# KiCad board pcb-panel.kicad_pcb (continued)
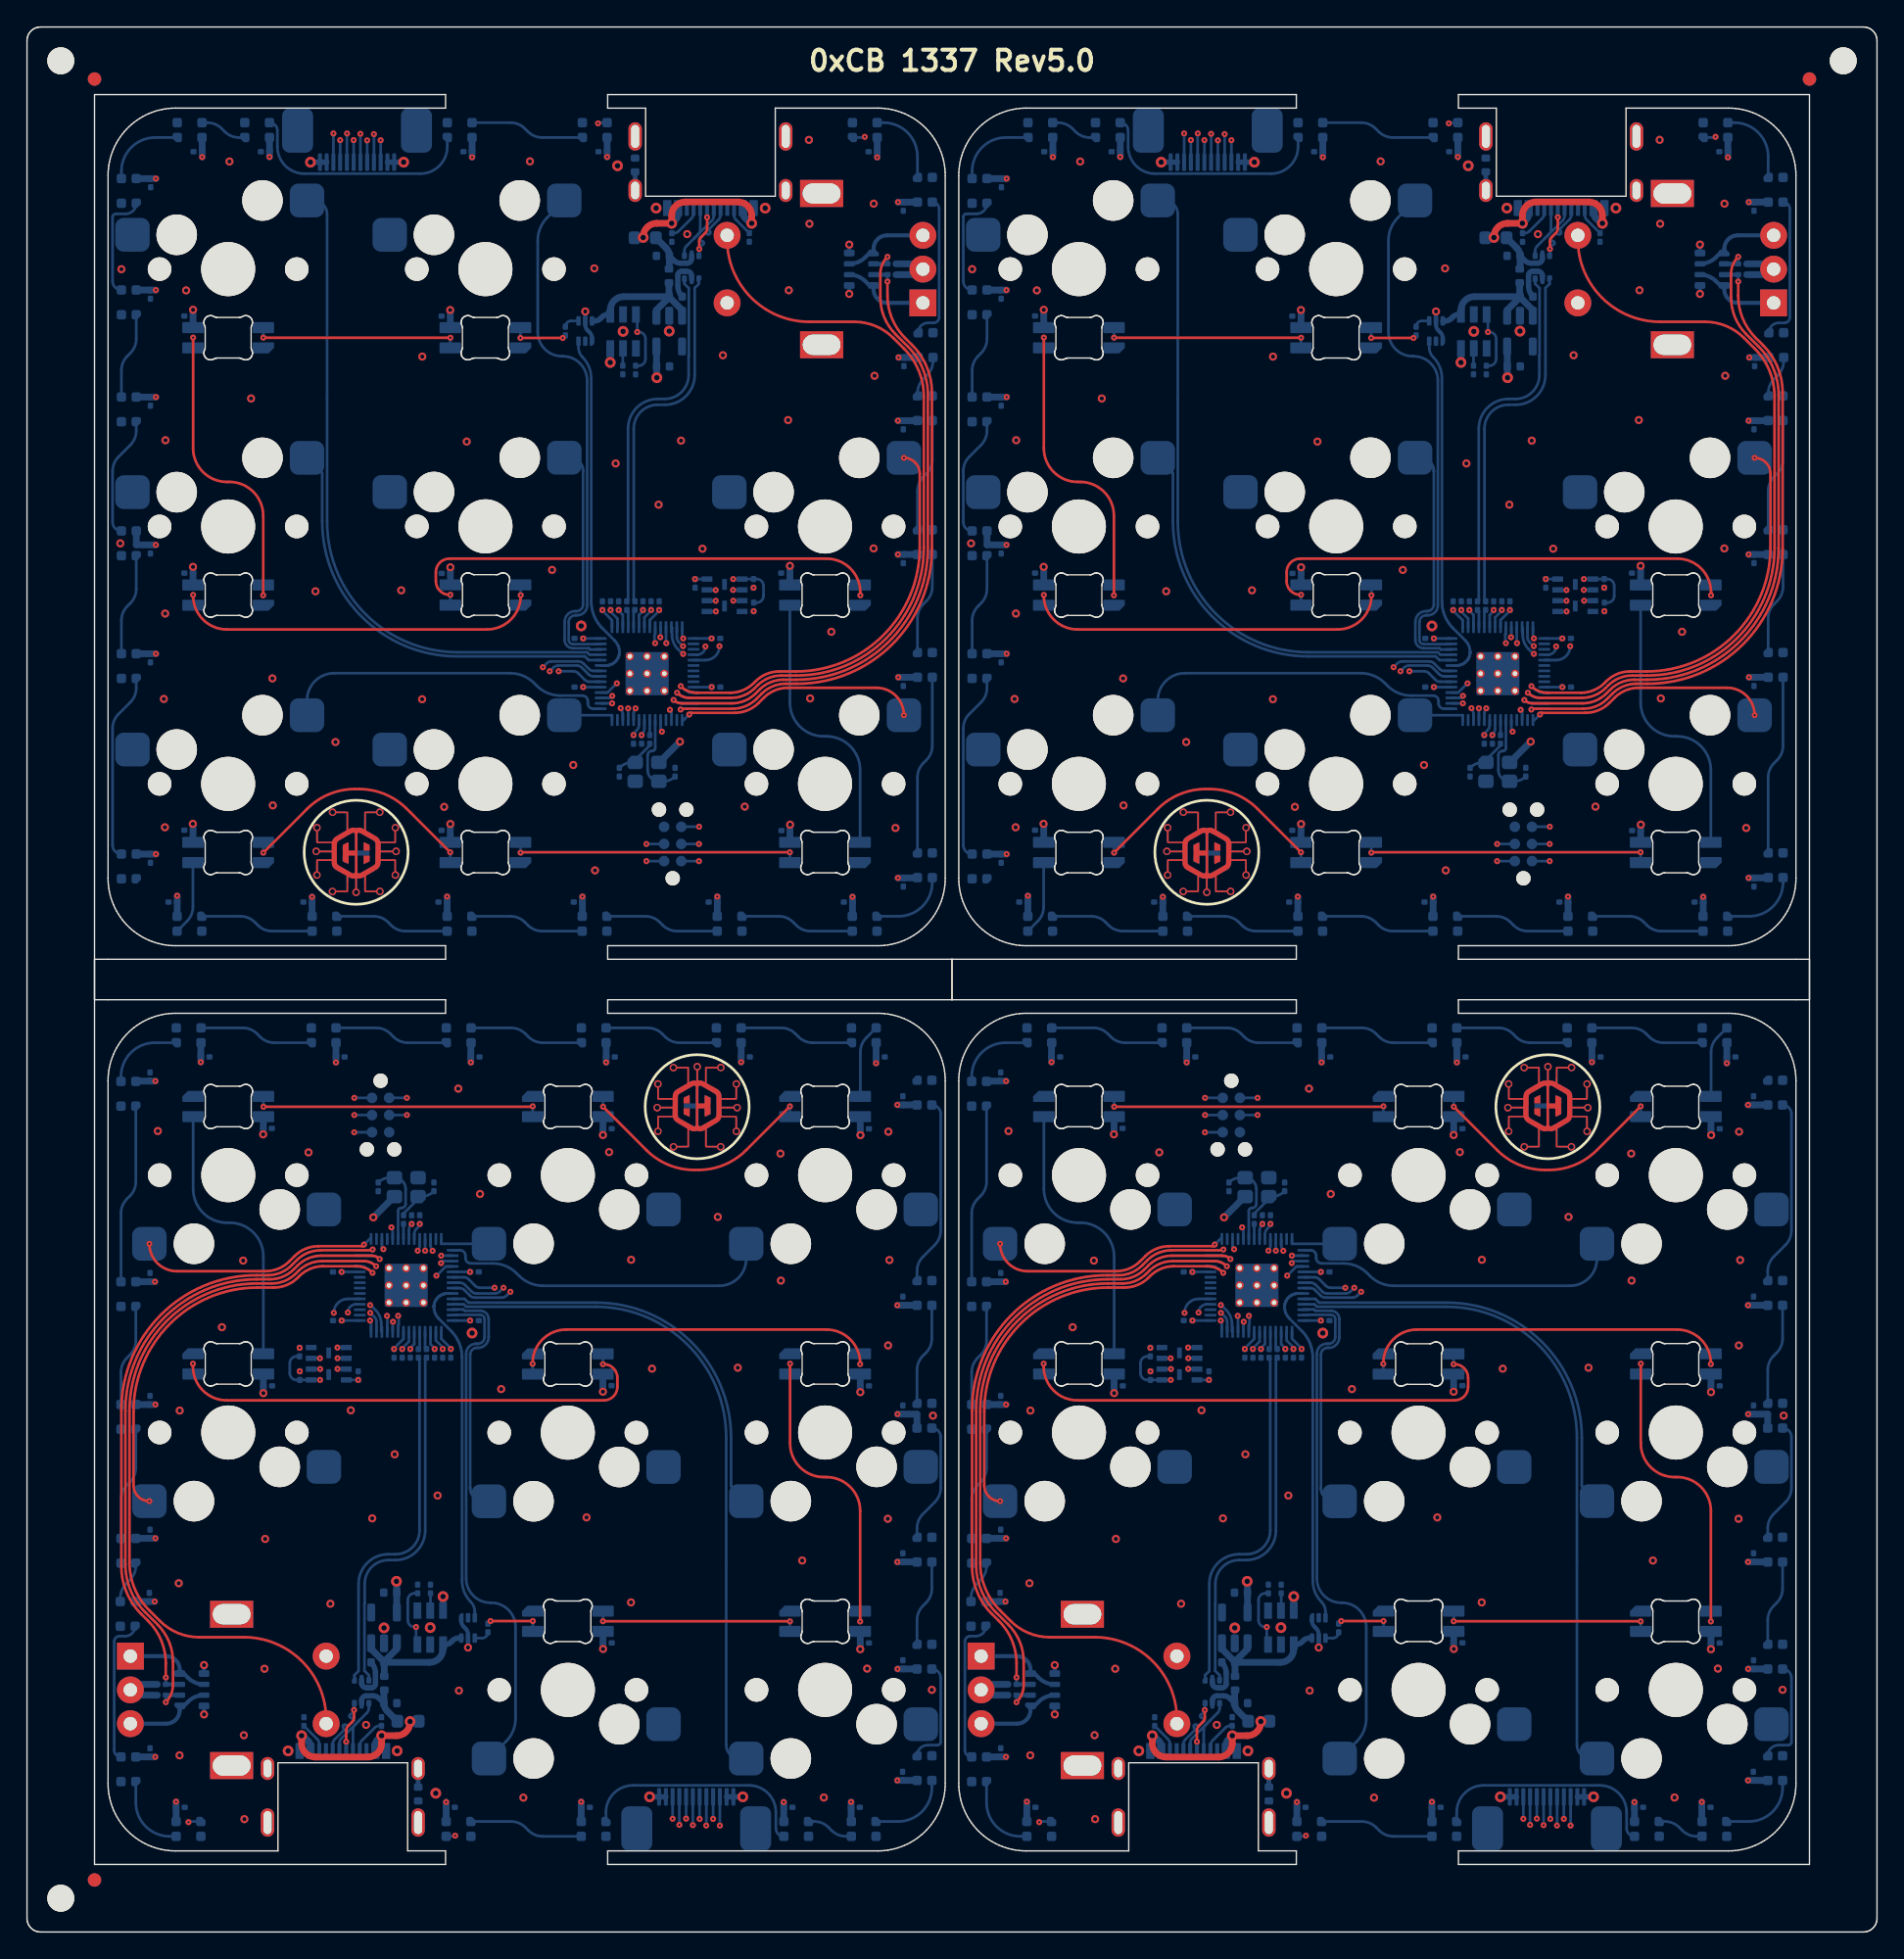
[diagram p0: board, top side]
## Routing (per net, layer and track width the routed paths; a pad name or vN(x,y) marks a point on that pad's centre or on a via; arc(x,y) is an arc through that point) (continued)
  Bottom w0.2: v1(39.37,93.32) 40.46,93.32 arc(40.65,93.28) 40.82,93.17 41.3,92.69 arc(41.46,92.58) 41.65,92.54 U6#3.34 ; J2.10 v1(26.19,132.62)
Board_0-/SPI0_SDI: length 64
  In1.Cu w0.2: v1(25.19,132.61) 25.19,133.24 arc(25.01,133.67) 24.59,133.85 22.63,133.85 arc(22.41,133.8) 22.22,133.67 22.15,133.61 arc(22.01,133.4) 21.97,133.16 21.97,133.03 arc(22.01,132.84) 22.12,132.67 24.2,130.59 arc(24.41,130.26) 24.49,129.88 24.49,102.29 arc(27.42,95.22) 34.49,92.29 39.65,92.29 arc(39.85,92.33) 40.01,92.44 40.04,92.47 arc(40.21,92.58) 40.4,92.62 41.8,92.62 arc(42.18,92.54) 42.5,92.33 v1(43.34,91.49)
  Bottom w0.2: v1(25.19,132.61) J2.8 ; v1(43.34,91.49) 43.19,91.34 U6#3.31
Board_0-/SPI0_SDO: length 55.8
  In1.Cu w0.2: v1(24.69,133.09) 24.69,132.71 arc(24.73,132.53) 24.83,132.37 24.96,132.25 arc(25.28,131.76) 25.39,131.19 25.39,102.36 arc(28.08,95.88) 34.56,93.19 38.41,93.19 arc(38.57,93.22) v1(38.71,93.32)
  Bottom w0.2: v1(38.71,93.32) 38.99,93.59 arc(39.15,93.7) 39.34,93.74 40.73,93.74 arc(40.92,93.7) 41.08,93.59 41.59,93.09 arc(41.75,92.98) 41.94,92.94 U6#3.35 ; J2.7 v1(24.69,133.09)
Board_0-/SWD_CLK: length 15.6
  In1.Cu w0.2: v1(45.07,90.57) 45.07,90.56 arc(45.06,90.52) 45.04,90.49 44.65,90.11 arc(44.51,89.89) 44.46,89.64 44.46,85.44 arc(44.81,83.7) 45.79,82.23 45.88,82.14 arc(47.66,80.95) v1(49.76,80.53)
  Bottom w0.2: U6#3.24 44.92,90.22 arc(44.96,90.41) v1(45.07,90.57) ; v1(49.76,80.53) 48.45,80.53
Board_0-/SWD_IO: length 16.5
  In1.Cu w0.2: v1(44.52,90.57) 44.52,90.53 arc(44.25,90.14) 44.16,89.67 44.16,85.35 arc(44.58,83.24) 45.78,81.44 46.69,80.53 arc(48.1,79.59) v1(49.76,79.26)
  Bottom w0.2: v1(49.76,79.26) 48.45,79.26 ; v1(44.52,90.57) 44.52,90.57 U6#3.25
Board_0-/USB+: length 26.8
  Bottom w0.2: U1#4.1 49.76,122 49.45,121.68 49.45,115.24 arc(48.8,113.69) 47.25,113.04 46.7,113.04 arc(45.45,112.52) 44.93,111.27 44.93,98.58 R8#3.1
Board_0-/USB-: length 26.8
  Bottom w0.2: R9.1 44.51,98.59 44.51,111.27 arc(45.16,112.83) 46.71,113.47 47.23,113.47 arc(48.48,113.99) 49,115.24 49,116.68 49.01,116.7 49.01,121.67 48.68,122 U1#4.3
Board_0-GND: length 11.9
  Bottom w0.2: U6#3.19 46.92,88.94 v1(47.02,88.85)
  Bottom w0.4: v2(20.99,131) J2.1 J2.2 ; U1#4.2 49.22,122.57 arc(49.12,122.82) 48.87,122.92 48.48,122.92 arc(48.28,122.84) 48.2,122.64 48.2,121.83 arc(48.28,121.41) C11#4.2
  Bottom w0.5: v3(48.35,88.11) 46.82,86.57 Y1.2 ; C7#4.2 65.96,123.47 MX3#4.C 65.94,122.67 C8#3.2
  vias: v2(41.04,96.67) v2(43.73,130.73) v2(44.14,118.47) v2(46.59,127.6) v2(47.56,118.49) v2(54.67,127.6) v3(6.91,102.78) v3(6.99,123.08) v3(10.13,91.27) v3(10.23,97.59) v3(10.21,81.77) v3(10.25,110.42) v3(11.78,121.51) v3(14.99,131.05) v3(16.59,113.51) v3(18.17,92.79) v3(18.2,83.39) v3(21.36,99.24) v3(22.84,88.08) v3(27.71,99.31) v3(29.27,116.61) v3(29.26,91.25) v3(30.89,83.28) v3(32.56,110.32) v3(37.24,131.06) v3(38.88,100.82) v3(40.45,86.38) v3(42.01,123.14) v3(42.06,78.58) v3(43.59,108.7) v3(46.77,105.65) v3(48.43,110.39) v3(48.89,125.67) v3(50.02,102.39) v3(51.53,116.71) v3(53.15,83.3) v3(56.41,121.52) v3(56.36,111.91) v3(57.9,132.65) v3(57.94,126.44) v3(57.99,91.31) v3(59.56,96.24) v3(62.7,127.93) v3(62.69,102.41) v3(62.76,115.19) v3(64.31,81.72)
Board_0-Net-(C40-Pad2): length 3.1
  Bottom w0.2: R10#3.1 46.12,87.82 45.04,86.75 Y1.1 44.84,86.57 arc(44.31,86.47) C40.2
Board_0-Net-(D1-DIN): length 15.3
  Top w0.2: v1(17.5,118.01) 17.51,118 v1(31.35,118)
  Bottom w0.2: v1(31.35,118) 31.35,118 D2#2.2 ; v1(17.5,118.01) 17.5,118.75 D1.4
Board_0-Net-(D1-DOUT): length 23.7
  Top w0.2: v1(17.49,98.94) 17.49,104.83 arc(16.76,106.6) 14.99,107.33 14.8,107.33 arc(13.03,108.06) 12.3,109.83 v1(12.3,118.02)
  Bottom w0.2: v1(12.3,118.02) 12.3,118.01 D1.2 ; v1(17.49,98.94) 17.5,98.94 D3.4
Board_0-Net-(D3-DOUT): length 28.7
  Top w0.2: v1(36.56,98.95) 36.56,98.91 arc(35.83,97.14) 34.06,96.41 14.8,96.41 arc(13.03,97.14) 12.3,98.91 v1(12.3,98.97)
  Bottom w0.2: D3.2 12.3,98.96 v1(12.3,98.97) ; D4.4 36.56,99.7 v1(36.56,98.95)
Board_0-Net-(D4-DOUT): length 37.5
  Top w0.2: v1(31.35,98.98) 31.28,98.98 arc(30.57,99.27) 30.28,99.98 30.28,100.65 arc(30.57,101.36) 31.28,101.65 59.21,101.65 arc(60.98,100.92) 61.71,99.15 v1(61.71,98.94)
  Bottom w0.2: v1(61.71,98.94) 61.71,99.69 D5#4.4 ; D4.2 v1(31.35,98.98)
Board_0-Net-(D5-DOUT): length 20.6
  Bottom w0.2: D5#4.2 56.5,91 arc(57.23,89.23) 59,88.5 59.2,88.5 arc(60.96,87.77) 61.7,86 D8#2.4
Board_0-Net-(D6-DIN): length 18.8
  Top w0.2: v1(17.5,79.89) 20.75,83.13 arc(22.37,84.22) 24.28,84.6 24.59,84.6 arc(26.5,84.22) 28.13,83.13 v1(31.34,79.92)
  Bottom w0.2: D6.4 17.5,80.65 v1(17.5,79.89) ; v1(31.34,79.92) 31.35,79.91 D7#4.2
Board_0-Net-(D7-DIN): length 21.5
  Top w0.2: v1(36.55,79.89) 36.58,79.92 v1(56.49,79.92)
  Bottom w0.2: D8#2.2 56.5,79.91 v1(56.49,79.92) ; D7#4.4 36.55,80.65 v1(36.55,79.89)
Board_0-Net-(D10-DIN): length 35.3
  In2.Cu w0.2: v1(42.29,133.87) 42.29,130.42 arc(44.34,125.47) 49.29,123.42 55.01,123.42 arc(59.96,125.47) 62.01,130.42 62.01,132.87 v1(62.04,132.87)
  Bottom w0.2: D10.3 42.34,133.92 v1(42.29,133.87) ; v1(62.04,132.87) 61.99,132.82 D9#2.1
Board_0-Net-(D10-DOUT): length 8.5
  Bottom w0.2: D10.1 38.15,132.82 arc(37.58,132.93) 37.09,133.26 36.87,133.48 arc(36.38,133.81) 35.81,133.92 D11#3.3
Board_0-Net-(D11-DOUT): length 17.7
  Bottom w0.2: D11#3.1 31.13,132.15 arc(30.54,130.73) 29.13,130.15 20.54,130.15 arc(19.13,130.73) 18.54,132.15 18.54,133.34 arc(18.37,133.75) D12.3
Board_0-Net-(D12-DOUT): length 3.5
  Bottom w0.2: D12.1 15.7,132.82 arc(15.13,132.93) 14.64,133.26 14.42,133.48 arc(13.93,133.81) 13.36,133.92 D13#3.3
Board_0-Net-(D13-DOUT): length 6.1
  Bottom w0.2: D15#3.3 6.99,130.32 arc(7.72,132.09) 9.49,132.82 D13#3.1
Board_0-Net-(D14-DIN): length 11
  Bottom w0.2: D14#4.3 67.05,128.04 arc(67.4,127.89) 67.55,127.54 67.55,119.51 arc(67.43,119.22) 67.14,119.1 66.72,119.1 arc(66.2,118.89) D16#4.1
Board_0-Net-(D14-DOUT): length 6
  Bottom w0.2: D9#2.3 63.44,133.92 arc(65.21,133.19) 65.94,131.42 D14#4.1
Board_0-Net-(D15-DOUT): length 8.1
  Bottom w0.2: D15#3.1 arc(7.86,127.4) 7.31,127.17 6.56,127.17 arc(6.4,127.11) 6.34,126.95 6.34,122.19 arc(6.53,121.73) D17.3
Board_0-Net-(D16-DIN): length 3.2
  Bottom w0.2: D18#2.1 65.94,113.89 arc(66.05,114.46) 66.38,114.95 66.65,115.22 arc(66.98,115.71) 67.09,116.28 D16#4.3
Board_0-Net-(D17-DOUT): length 6.4
  Bottom w0.2: D17.1 8.09,117.92 arc(7.98,117.35) 7.65,116.86 7.43,116.64 arc(7.1,116.15) 6.99,115.58 D19#2.3
Board_0-Net-(D18-DIN): length 8.4
  Bottom w0.2: D18#2.3 67.04,108.99 arc(66.93,108.42) 66.6,107.93 66.38,107.71 arc(66.05,107.22) 65.94,106.65 D20#2.1
Board_0-Net-(D19-DOUT): length 9.1
  Bottom w0.2: D19#2.1 8.09,111.12 arc(7.98,110.55) 7.65,110.06 6.78,109.19 arc(6.45,108.7) 6.34,108.12 6.34,104.36 arc(6.53,103.89) D21.3
Board_0-Net-(D20-DIN): length 7.6
  Bottom w0.2: D20#2.3 67.04,99.57 arc(66.93,99) 66.6,98.51 66.38,98.29 arc(66.05,97.8) 65.94,97.23 D22#2.1
Board_0-Net-(D21-DOUT): length 7.6
  Bottom w0.2: D21.1 8.09,99.41 arc(7.98,98.84) 7.65,98.35 7.43,98.13 arc(7.1,97.64) 6.99,97.07 D23.3
Board_0-Net-(D22-DIN): length 13.3
  Bottom w0.2: D22#2.3 67.04,87.8 arc(66.93,87.23) 66.6,86.74 66.38,86.52 arc(66.05,86.03) 65.94,85.46 D24.1
Board_0-Net-(D23-DOUT): length 14
  Bottom w0.2: D23.1 8.09,92.08 arc(7.98,91.51) 7.65,91.02 6.78,90.15 arc(6.45,89.66) 6.34,89.08 6.34,80.44 arc(6.53,79.98) D25#3.3
Board_0-Net-(D24-DIN): length 5.9
  Bottom w0.2: D26#3.1 64.54,75.18 arc(66.31,75.91) 67.04,77.68 D24.3
Board_0-Net-(D26-DIN): length 8.5
  Bottom w0.2: D26#3.3 58.02,74.08 arc(57.45,74.19) 56.96,74.52 56.74,74.74 arc(56.25,75.07) 55.68,75.18 D27#3.1
Board_0-Net-(D27-DIN): length 8.5
  Bottom w0.2: D28.1 45.8,75.18 arc(46.37,75.07) 46.86,74.74 47.08,74.52 arc(47.57,74.19) 48.14,74.08 D27#3.3
Board_0-Net-(D28-DIN): length 8.5
  Bottom w0.2: D29#3.1 35.81,75.18 arc(36.38,75.07) 36.87,74.74 37.09,74.52 arc(37.58,74.19) 38.15,74.08 D28.3
Board_0-Net-(D29-DIN): length 8.5
  Bottom w0.2: D29#3.3 28.02,74.08 arc(27.45,74.19) 26.96,74.52 26.74,74.74 arc(26.25,75.07) 25.68,75.18 D30.1
Board_0-Net-(D30-DIN): length 8.5
  Bottom w0.2: D31#4.1 15.81,75.18 arc(16.38,75.07) 16.87,74.74 17.09,74.52 arc(17.58,74.19) 18.15,74.08 D30.3
Board_0-Net-(D31-DIN): length 5.5
  Bottom w0.2: D6.2 12.29,79.14 12.29,75.87 arc(12.17,75.3) 11.85,74.81 D31#4.3
Board_0-Net-(F1-Pad1): length 14.3
  Top w0.5: v2(53.67,126.47) 53.67,127.05 arc(53.37,127.76) 52.67,128.05 48.74,128.05 arc(48.03,127.76) 47.74,127.05 v2(47.74,126.47) 46.63,126.47 arc(45.92,126.18) 45.63,125.47 v2(45.63,125.42)
  Bottom w0.5: v2(45.63,125.42) 45.01,125.42 F1#2.1 ; v2(53.67,126.47) 53.57,126.47 53.16,126.88 arc(53.05,127.04) 53.01,127.23 J1#2.A9 ; J1#2.A4 48.21,127.15 arc(48.17,126.96) 48.06,126.79 v2(47.74,126.47)
Board_0-Net-(J1-CC1): length 2.7
  Bottom w0.2: J1#2.A5 49.36,127.2 arc(49.32,127.01) 49.21,126.85 48.26,125.89 arc(48.09,125.78) 47.9,125.74 R2.2
Board_0-Net-(J1-CC2): length 2.3
  Bottom w0.2: J1#2.B5 52.36,127.08 arc(52.4,126.89) 52.51,126.73 R1.2
Board_0-Net-(J1-SHIELD): length 1.4
  Bottom w0.35: J1#2.S1 45.04,130.28 FB1.1
Board_0-Net-(RN1A-R1.1): length 6.6
  Bottom w0.3: MX3#4.B 63.69,125.58 arc(62.98,125.29) 62.69,124.58 RN1#4.1 62.39,124.27 62.09,123.97 arc(61.54,123.6) RN1#4.7
Board_0-Net-(RN1C-R3.2): length 6.6
  Bottom w0.3: MX3#4.A 63.69,120.58 arc(62.98,120.87) 62.69,121.58 RN1#4.4 62.39,121.87 62.09,122.18 arc(61.54,122.54) RN1#4.6
Board_0-Net-(U1-VBUS): length 5
  Bottom w0.4: C10.1 47.91,123.72 arc(48.13,123.57) 48.39,123.52 48.87,123.52 arc(49.12,123.62) 49.22,123.87 U1#4.5
  Bottom w0.5: FB2.1 47.57,123.12 C10.1 arc(47.51,124.37) 47.33,124.64 F1#2.2
Board_0-Net-(U3-ILIM): length 1.3
  Bottom w0.2: U3#4.5 44.12,117.2 R5.1
Board_0-Net-(U4-B): length 1.2
  Bottom w0.2: U4#3.4 40.3,119.25 arc(39.99,119.12) R3#2.1
Board_0-Net-(U6-XTAL_IN): length 6.6
  Bottom w0.2: U6#3.20 46.52,87.62 arc(46.46,87.47) 46.31,87.41 46.27,87.41 arc(46.05,87.32) 45.96,87.11 45.96,86 arc(46.2,85.41) Y1.3 47.13,85.17 arc(47.6,85.26) C37#2.2
Board_0-Net-(U6-XTAL_OUT): length 1.1
  Bottom w0.2: U6#3.21 46.12,88.6 R10#3.2
Board_1-+1V1: length 4.2
  Bottom w0.2: U6#2.50 109.12,97.1 109.82,97.8 v1(109.82,97.85) C25#2.1 ; U6#2.45 107.12,97.49 106.82,97.8 v1(106.82,97.85) C22#2.2 ; U6#2.23 108.32,89.35 arc(108.28,89.13) 108.15,88.94 107.92,88.71 v1(107.92,88.6) C39.1
Board_1-+3V3: length 21.7
  Bottom w0.2: U6#2.10 113.7,92.14 v1(113.7,92.15) ; v1(104.19,95.75) 104.19,95.74 U6#2.42 ; U6#2.49 108.72,97.3 109.22,97.8 v1(109.22,97.85) C21.1 ; U5#3.8 112.47,100.14 v1(112.47,100.14) ; v1(113.7,95.75) 113.69,95.74 U6#2.1 ; C23#2.1 v1(108.62,97.85) 108.62,97.77 108.32,97.48 U6#2.48 ; U6#2.44 106.72,97.22 106.22,97.72 v1(106.22,97.85) C26#3.2 ; v1(108.87,79.26) 110.18,79.26 ; U6#2.33 104.19,92.14 v1(104.19,92.15) ; U6#2.43 106.32,97.09 105.62,97.8 v1(105.62,97.85) ; C38#3.1 v1(108.52,88.6) arc(108.67,88.82) 108.72,89.09 U6#2.22
  Bottom w0.3: U4.1 104.84,117.97 arc(104.8,118.2) 104.67,118.4 104.52,118.55 arc(104.39,118.74) 104.34,118.97 U4.5 v3(104.34,119.95) ; RN1#2.5 v3(123.89,121.25) ; v3(123.89,124.9) RN1#2.8
  Bottom w0.35: 109.62,117.34 U2#3.5
  Bottom w0.4: v2(90.89,131) J2#2.12 J2#2.11
  Bottom w0.5: 109.62,117.34 C17#2.1 109.62,115.07 v2(109.64,115.05)
  vias: v1(116.8,99.5)
Board_1-+5V: length 11.5
  Bottom w0.4: U4.6 105.05,119.25 arc(105.28,119.29) 105.47,119.42 105.6,119.55 arc(105.79,119.68) 106.02,119.73 U3.1
  Bottom w0.5: U3.1 106.19,120.05 arc(106.48,120.75) 107.19,121.05 C11#3.1 ; 110.58,121.11 110.58,121.02 109.61,120.05 U2#3.1 ; 110.58,121.11 110.58,120.98 111.51,120.05 U2#3.3 ; 110.58,121.11 110.54,121.15 FB2#2.2
Board_1-/BOOT: length 19.6
  In2.Cu w0.2: v1(116.81,97.76) 116.81,89.36 arc(116.24,87.99) 114.87,87.42 arc(113.39,86.81) 112.77,85.32 v1(112.77,81.81)
  Bottom w0.2: J3.6 111.46,81.81 v1(112.77,81.81) ; R6#3.2 v1(116.81,97.76)
Board_1-/D+: length 1.3
  Bottom w0.2: R8.2 107.92,97.76 U6#2.47
Board_1-/D-: length 1.3
  Bottom w0.2: R9#2.2 107.52,97.75 U6#2.46
Board_1-/EA: length 50.8
  Top w0.2: v1(110.88,91.19) arc(111.16,91.01) 111.48,90.94 115.2,90.94 arc(116.15,91.13) 116.96,91.67 117.25,91.96 arc(118.06,92.5) 119.02,92.69 119.97,92.69 arc(126.86,95.54) 129.71,102.43 129.71,113.8 arc(129.33,115.71) 128.25,117.33 127.32,118.26 arc(126.49,119.51) 126.19,120.99 126.19,122.71 arc(126.33,123.4) v1(126.72,123.99)
  Bottom w0.2: U6#2.13 111.48,90.94 arc(111.16,91.01) v1(110.88,91.19) ; v1(126.72,123.99) C7#3.1
  Bottom w0.3: RN1#2.2 C7#3.1
Board_1-/EB: length 48.1
  Top w0.2: v1(111.4,90.48) 111.46,90.54 115.26,90.54 arc(116.21,90.73) 117.02,91.27 117.41,91.66 arc(118.22,92.2) 119.18,92.39 120.01,92.39 arc(127.08,95.32) 130.01,102.39 130.01,113.92 arc(129.63,115.83) 128.55,117.46 128.01,117.99 arc(127.06,119.42) 126.72,121.11 v1(126.72,122.16)
  Bottom w0.2: v1(111.4,90.48) 111.46,90.54 U6#2.14 ; v1(126.72,122.16) C8#4.1
  Bottom w0.3: C8#4.1 RN1#2.3
Board_1-/LIM_EN: length 35.2
  In1.Cu w0.2: v1(108.19,118.43) 108.19,92.08 arc(108.67,90.94) 109.81,90.46 v1(110.61,90.46)
  Bottom w0.2: v1(110.61,90.46) 110.72,90.35 U6#2.17 ; U3.3 108.19,119.63 v1(108.19,118.43) 108.3,118.43 arc(108.65,118.28) 108.8,117.93 108.8,116.43 arc(108.65,116.08) 108.3,115.93 R4.2
Board_1-/PORT+: length 8.1
  Top w0.2: v1(112.78,124.57) 112.78,125.1 arc(112.82,125.3) 112.93,125.46 113.22,125.75 arc(113.33,125.91) 113.36,126.1 v1(113.36,126.92)
  Bottom w0.2: J1.B6 114.36,127.1 arc(114.32,126.91) 114.21,126.74 113.57,126.1 arc(113.53,126) 113.57,125.9 arc(113.61,125.8) 113.57,125.7 113.56,125.69 arc(113.46,125.64) 113.36,125.69 arc(113.26,125.73) 113.16,125.69 112.78,125.31 arc(112.82,125.2) 112.93,125.16 112.97,125.16 arc(113.08,125.12) 113.12,125.01 arc(113.08,124.9) 112.97,124.86 112.93,124.86 arc(112.82,124.82) 112.78,124.71 v1(112.78,124.57) 112.78,124.09 U1#2.6 ; J1.A6 113.36,126.92 v1(113.36,126.92)
Board_1-/PORT-: length 6.8
  Bottom w0.2: J1.A7 113.86,127.02 arc(113.82,126.83) 113.71,126.67 112.4,125.35 ; 112.4,125.35 112.71,125.67 arc(112.82,125.83) 112.86,126.02 J1.B7 ; 112.4,125.35 111.83,124.78 arc(111.72,124.62) 111.68,124.43 U1#2.4
Board_1-/QSPI_CLK: length 8.8
  In1.Cu w0.2: v1(114,98.53) 113.26,98.53 arc(113.16,98.57) 113.12,98.67 arc(113.08,98.77) 112.98,98.81 112.95,98.81 arc(112.85,98.77) 112.81,98.67 112.81,98.43 arc(112.78,98.36) 112.71,98.33 112.61,98.33 arc(112.54,98.36) 112.51,98.43 arc(112.48,98.5) 112.41,98.53 111.91,98.53 arc(111.87,98.43) 111.91,98.34 arc(111.95,98.24) 111.91,98.14 111.89,98.11 arc(111.79,98.07) 111.69,98.11 111.51,98.29 arc(111.43,98.33) 111.35,98.29 111.3,98.24 arc(111.27,98.16) 111.3,98.08 arc(111.33,98) 111.3,97.92 111.26,97.88 arc(111.18,97.84) 111.1,97.88 arc(111.02,97.91) 110.94,97.88 110.89,97.82 arc(110.85,97.74) 110.89,97.66 arc(110.92,97.59) 110.89,97.51 110.83,97.45 arc(110.75,97.42) 110.68,97.45 arc(110.6,97.49) 110.52,97.45 110.46,97.4 arc(110.43,97.32) 110.46,97.24 arc(110.5,97.16) 110.46,97.08 110.23,96.85 arc(109.98,96.48) 109.9,96.04 v1(109.9,95.83)
  Bottom w0.2: U6#2.52 109.92,95.86 v1(109.9,95.83) ; v1(114,98.53) 113.99,98.54 U5#3.6
Board_1-/QSPI_CS: length 12.4
  In1.Cu w0.2: v1(115.3,100.14) 115.02,99.86 arc(114.61,99.24) 114.46,98.51 114.46,97.78 arc(114.43,97.6) 114.33,97.46 114.29,97.42 arc(114.18,97.34) 114.04,97.32 112.66,97.32 112.61,97.27 arc(112.58,97.2) 112.61,97.13 arc(112.64,97.05) 112.61,96.98 112.54,96.91 arc(112.47,96.88) 112.39,96.91 112.25,97.05 arc(112.18,97.08) 112.11,97.05 112.01,96.95 arc(111.98,96.88) 112.01,96.81 arc(112.04,96.74) 112.01,96.67 111.74,96.4 arc(111.63,96.24) 111.6,96.05 v1(111.6,95.75)
  Bottom w0.2: v1(111.6,95.75) 111.52,95.82 U6#2.56 ; v1(115.3,100.14) 115.3,100.14 U5#3.1 115.96,100.14 R7#2.2 117.04,100.14 arc(117.39,99.99) 117.54,99.64 117.54,98.9 arc(117.39,98.54) 117.04,98.4 R6#3.1
Board_1-/QSPI_SD0: length 8.8
  In1.Cu w0.2: v1(114.01,97.74) 113.3,97.74 arc(113.2,97.78) 113.15,97.89 arc(113.11,97.99) 113.01,98.03 113,98.03 arc(112.9,97.99) 112.85,97.89 arc(112.81,97.78) 112.71,97.74 112.7,97.74 arc(112.6,97.78) 112.55,97.89 arc(112.51,97.99) 112.41,98.04 112.4,98.04 arc(112.29,97.99) 112.25,97.89 112.25,97.59 arc(112.21,97.49) 112.1,97.45 112.1,97.45 arc(111.99,97.49) 111.95,97.59 arc(111.91,97.7) 111.8,97.74 111.73,97.74 111.48,97.49 arc(111.44,97.39) 111.48,97.29 arc(111.53,97.18) 111.48,97.08 111.48,97.07 arc(111.38,97.03) 111.27,97.07 arc(111.17,97.12) 111.06,97.07 111.06,97.07 arc(111.02,96.96) 111.06,96.86 arc(111.1,96.76) 111.06,96.65 111.06,96.65 arc(110.95,96.61) 110.85,96.65 arc(110.74,96.69) 110.64,96.65 110.63,96.64 arc(110.4,96.3) 110.32,95.89 110.32,95.41 v1(110.34,95.4)
  Bottom w0.2: U5#3.5 114.01,97.74 v1(114.01,97.74) ; U6#2.53 110.32,96.58 110.32,95.41 v1(110.34,95.4)
Board_1-/QSPI_SD1: length 8.6
  In1.Cu w0.2: v1(111.58,95.18) 111.63,95.18 112.24,95.79 arc(112.28,95.89) 112.24,96 arc(112.19,96.1) 112.24,96.21 arc(112.34,96.25) 112.45,96.21 arc(112.55,96.17) 112.66,96.21 113.02,96.57 arc(113.32,96.77) 113.68,96.84 113.81,96.84 arc(114.13,96.9) 114.41,97.09 114.5,97.18 arc(114.78,97.61) 114.88,98.11 114.88,98.53 arc(114.96,98.89) 115.16,99.2 v1(115.29,99.33)
  Bottom w0.2: U5#3.2 115.3,99.34 v1(115.29,99.33) ; U6#2.55 111.12,95.82 arc(111.16,95.64) 111.26,95.48 111.57,95.18 v1(111.58,95.18)
Board_1-/QSPI_SD2: length 8.7
  In1.Cu w0.2: v1(115.31,98.54) 115.31,98.43 arc(115.15,97.63) 114.7,96.95 114.26,96.52 arc(114.02,96.36) 113.74,96.3 arc(113.34,96.22) 113.01,96 111.61,94.6 v1(111.59,94.6)
  Bottom w0.2: v1(115.31,98.54) U5#3.3 ; U6#2.54 110.77,96.53 110.77,95.99 arc(110.88,95.44) 111.19,94.97 111.56,94.6 v1(111.59,94.6)
Board_1-/QSPI_SD3: length 8.8
  In1.Cu w0.2: v1(114,99.32) 112.5,99.32 arc(111.94,99.21) 111.46,98.89 109.87,97.3 arc(109.58,96.86) 109.47,96.34 109.47,95.44 v1(109.52,95.4)
  Bottom w0.2: v1(114,99.32) 113.98,99.34 U5#3.7 ; U6#2.51 109.52,96.08 109.47,96.03 109.47,95.44 v1(109.52,95.4)
Board_1-/RGB_5V: length 4.2
  Top w0.2: v1(102.68,117.99) v1(99.54,117.99)
  Bottom w0.2: D2#3.4 99.54,118.75 v1(99.54,117.99) ; v1(102.68,117.99) R3.2
Board_1-/RGB_DO: length 25.9
  Bottom w0.2: U6#2.37 105.86,93.74 arc(105.87,93.74) 105.87,93.74 105.92,93.74 arc(105.93,93.74) 105.93,93.74 105.95,93.74 105.99,93.75 106.01,93.75 arc(106.01,93.75) 106.02,93.75 106.11,93.77 arc(106.11,93.77) 106.12,93.77 106.14,93.78 106.18,93.79 106.2,93.8 arc(106.21,93.8) 106.21,93.8 106.29,93.84 arc(106.3,93.84) 106.3,93.84 106.32,93.85 106.36,93.87 106.38,93.88 arc(106.38,93.88) 106.39,93.89 106.46,93.94 arc(106.47,93.94) 106.47,93.94 106.49,93.95 106.52,93.98 106.54,94 arc(106.54,94) 106.55,94 106.61,94.07 arc(106.61,94.07) 106.61,94.07 106.63,94.09 106.66,94.13 106.67,94.14 arc(106.67,94.15) 106.68,94.15 106.72,94.22 arc(106.73,94.23) 106.73,94.23 106.74,94.25 106.76,94.29 106.77,94.31 arc(106.77,94.31) 106.78,94.32 106.81,94.4 arc(106.81,94.4) 106.81,94.41 106.82,94.43 106.83,94.47 106.84,94.49 arc(106.84,94.5) 106.84,94.5 106.86,94.6 arc(106.86,94.6) 106.86,94.6 106.86,94.62 106.87,94.66 106.87,94.68 arc(106.87,94.69) 106.87,94.69 106.87,94.73 arc(106.87,94.74) 106.87,94.74 106.87,94.78 arc(106.86,94.86) 106.85,94.95 106.84,94.99 arc(106.82,95.09) 106.79,95.18 106.77,95.22 arc(106.73,95.3) 106.68,95.39 106.65,95.43 arc(106.6,95.5) 106.54,95.56 106.53,95.58 arc(106.52,95.58) 106.52,95.59 105.61,96.5 arc(105.6,96.5) 105.6,96.51 105.53,96.58 arc(105.5,96.62) 105.46,96.66 105.33,96.82 arc(105.3,96.86) 105.27,96.91 105.16,97.08 arc(105.13,97.13) 105.11,97.18 105.02,97.36 arc(104.99,97.42) 104.97,97.47 104.91,97.66 arc(104.89,97.71) 104.88,97.77 104.83,97.97 arc(104.82,98.02) 104.81,98.08 104.79,98.29 arc(104.78,98.33) 104.78,98.38 104.78,98.49 arc(104.78,98.49) 104.78,98.5 104.78,115.01 arc(104.61,115.85) 104.13,116.57 arc(103.92,116.89) 103.84,117.27 U4.3
Board_1-/RGB_PWR: length 46
  Bottom w0.5: v1(72.55,113.61) 71.1,113.61 ; v1(127.5,101.96) 128.94,101.96 ; 71.1,129.78 v1(72.55,129.78) ; v1(114.12,76.64) 114.12,75.19 ; D7#3.1 94.35,82.01 v3(94.35,82.01) ; 71.1,79.78 v1(72.55,79.78) ; 84.11,75.17 v1(84.11,76.62) ; 95.96,132.81 v1(95.96,131.37) ; v1(105.96,131.39) 105.96,132.83 ; v1(80.96,131.39) 80.96,132.83 ; v3(94.34,120.05) 94.35,120.05 D2#3.1 ; D8.1 119.5,81.95 v3(119.51,81.96) ; 104.13,75.19 v1(104.13,76.64) ; v1(125.96,131.36) 125.96,132.8 ; D3#3.1 75.3,101.04 v3(75.29,101.04) ; v1(74.12,76.69) 74.12,75.25 ; D16.4 v1(127.55,116.54) ; v2(106.19,116.17) U3.6 ; v1(127.51,128.04) 128.95,128.04 ; v1(72.55,94.61) 71.1,94.61 ; v3(75.3,120.07) D1#2.1 ; D21#2.4 71.09,102.67 v1(72.54,102.67) ; v3(75.28,82.02) 75.3,82.01 D6#2.1 ; 71.09,121.53 v1(72.54,121.53) ; v1(124.13,76.62) 124.13,75.17 ; v1(127.53,92.87) 128.97,92.87 ; v3(119.5,101.12) D5#3.1 ; 75.97,132.82 v1(75.97,131.38) ; 128.94,111.86 v1(127.5,111.86) ; v1(127.5,78.02) 128.94,78.02 ; 94.11,75.19 v1(94.11,76.64) ; D4#2.1 v3(94.35,101.01)
Board_1-/RST: length 12.9
  In1.Cu w0.2: v1(106.97,90.58) arc(106.89,90.47) 106.86,90.33 106.86,85.38 arc(107.38,82.75) v1(108.87,80.53)
  Bottom w0.2: v1(108.87,80.53) 110.18,80.53 ; v1(106.97,90.58) 106.97,90.52 106.97,90.51 arc(107.08,90.35) 107.12,90.16 U6#2.26
Board_1-/S1: length 50.7
  Bottom w0.2: U6#2.39 104.65,94.54 104.47,94.72 94.9,94.72 arc(88.06,97.56) 85.22,104.4 85.22,127.16 arc(84.93,127.87) 84.22,128.16 MX1#3.2
Board_1-/S2: length 38.7
  Bottom w0.2: MX2#2.2 101.53,126.9 arc(101.01,126.12) 100.82,125.19 100.82,118.43 arc(101.35,117.16) 102.62,116.63 102.68,116.63 arc(103.95,116.1) 104.48,114.83 104.48,98.19 arc(104.27,97.68) 103.75,97.46 103.62,97.46 arc(103.26,97.31) 103.12,96.96 103.12,95.64 arc(103.21,95.41) 103.44,95.32 105.46,95.32 U6#2.41
Board_1-/S3: length 58.2
  Top w0.2: MX3#2.S1 114.85,125.28 arc(116.63,120.97) 120.94,119.18 124.26,119.18 arc(125.83,118.87) 127.16,117.98 127.95,117.19 arc(129.03,115.57) 129.41,113.66 129.41,102.45 arc(126.65,95.77) 119.96,93 118.87,93 arc(117.91,92.81) 117.1,92.27 116.9,92.07 arc(116.09,91.53) 115.14,91.34 112.07,91.34 arc(111.57,91.44) v1(111.15,91.73)
  Bottom w0.2: U6#2.12 112.07,91.34 arc(111.57,91.44) v1(111.15,91.73)
Board_1-/S4: length 31.6
  Bottom w0.2: MX4#2.2 84.86,107.99 84.86,104.42 arc(87.79,97.35) 94.86,94.42 104.31,94.42 104.59,94.14 U6#2.38
Board_1-/S5: length 18.3
  Bottom w0.2: U6#2.40 105.46,94.92 104.7,94.92 104.6,95.02 103.42,95.02 arc(102.99,95.2) 102.82,95.63 102.82,96.98 arc(103.05,97.53) 103.6,97.76 103.75,97.76 arc(104.06,97.93) 104.18,98.26 104.18,108.12 arc(104.18,108.12) 104.18,108.13 104.18,108.18 arc(104.18,108.22) 104.17,108.26 104.15,108.36 arc(104.14,108.41) 104.12,108.46 104.08,108.55 arc(104.06,108.59) 104.04,108.63 103.98,108.72 arc(103.95,108.76) 103.92,108.79 103.85,108.86 arc(103.82,108.89) 103.78,108.92 103.69,108.98 arc(103.65,109) 103.61,109.02 103.52,109.06 arc(103.47,109.08) 103.42,109.09 103.32,109.11 arc(103.28,109.12) 103.24,109.12 103.19,109.12 arc(103.18,109.12) 103.18,109.12 MX5#2.2
Board_1-/S6: length 31.9
  Top w0.2: v1(127.94,109.11) arc(128.77,108.77) 129.11,107.94 129.11,102.48 arc(126.42,95.99) 119.93,93.3 118.72,93.3 arc(117.76,93.11) 116.95,92.57 116.83,92.45 arc(116.02,91.91) 115.07,91.72 112.59,91.72 arc(111.95,91.85) v1(111.41,92.21)
  Bottom w0.2: v1(111.41,92.21) 111.54,92.08 arc(111.92,91.83) U6#2.11
Board_1-/S7: length 25.1
  Bottom w0.2: U6#2.29 104.93,90.54 arc(104.65,90.66) 104.53,90.94 104.53,91.11 arc(104.41,91.39) 104.13,91.51 102.52,91.51 arc(101.56,91.7) 100.75,92.24 100.55,92.44 arc(99.74,92.98) 98.79,93.17 85.74,93.17 arc(84.32,92.58) 83.74,91.17 MX7#2.2
Board_1-/S8: length 3.9
  Bottom w0.2: U6#2.28 106.32,90.06 MX8#2.2
Board_1-/S9: length 18.3
  Top w0.2: v1(112.04,90.12) 112.17,90.24 115.42,90.24 arc(116.37,90.43) 117.18,90.97 117.57,91.36 arc(118.38,91.9) 119.34,92.09 125.91,92.09 arc(127.34,91.5) v1(127.94,90.06)
  Bottom w0.2: v1(112.04,90.12) 111.63,89.7 U6#2.15
Board_1-/SCL1: length 66.6
  In2.Cu w0.2: v1(86.19,132.63) 86,132.44 86,106.52 arc(88.85,99.63) 95.74,96.78 100.66,96.78 arc(102.12,97.07) 103.35,97.9 103.39,97.93 arc(104.77,98.86) 106.4,99.18 108.9,99.18 arc(110.8,98.8) 112.42,97.72 113.79,96.35 arc(114.15,95.81) v1(114.28,95.17)
  Bottom w0.2: J2#2.4 v1(86.19,132.63) ; U6#2.5 113.25,94.14 arc(113.98,94.44) v1(114.28,95.17)
Board_1-/SDA1: length 65.9
  In2.Cu w0.2: v1(85.69,133.12) 85.69,106.48 arc(88.62,99.41) 95.69,96.48 100.7,96.48 arc(102.23,96.79) 103.54,97.66 103.57,97.69 arc(104.89,98.57) 106.44,98.88 108.85,98.88 arc(110.68,98.52) 112.24,97.48 112.72,97 arc(113.1,96.42) 113.24,95.73 v1(113.24,95.15)
  Bottom w0.2: U6#2.4 112.63,94.54 arc(113.06,94.72) v1(113.24,95.15) ; J2#2.3 v1(85.69,133.12)
Board_1-/SPI0_CS: length 59.2
  In1.Cu w0.2: v1(106.68,92.42) 106.13,92.97 arc(105.81,93.18) 105.43,93.26 103.19,93.26 arc(103,93.22) 102.84,93.11 102.76,93.04 arc(102.6,92.93) 102.41,92.89 97.53,92.89 arc(90.86,95.66) 88.09,102.33 88.09,130.01 arc(87.91,130.91) 87.41,131.66 87,132.08 arc(86.78,132.4) 86.7,132.79 v1(86.7,133.12)
  Bottom w0.2: J2#2.5 86.69,133.11 v1(86.7,133.12) ; U6#2.32 105.99,91.74 106.67,92.42 v1(106.68,92.42)
